# Altium PCB foxbms2-master.PcbDoc (part 11 of 11) (continued)
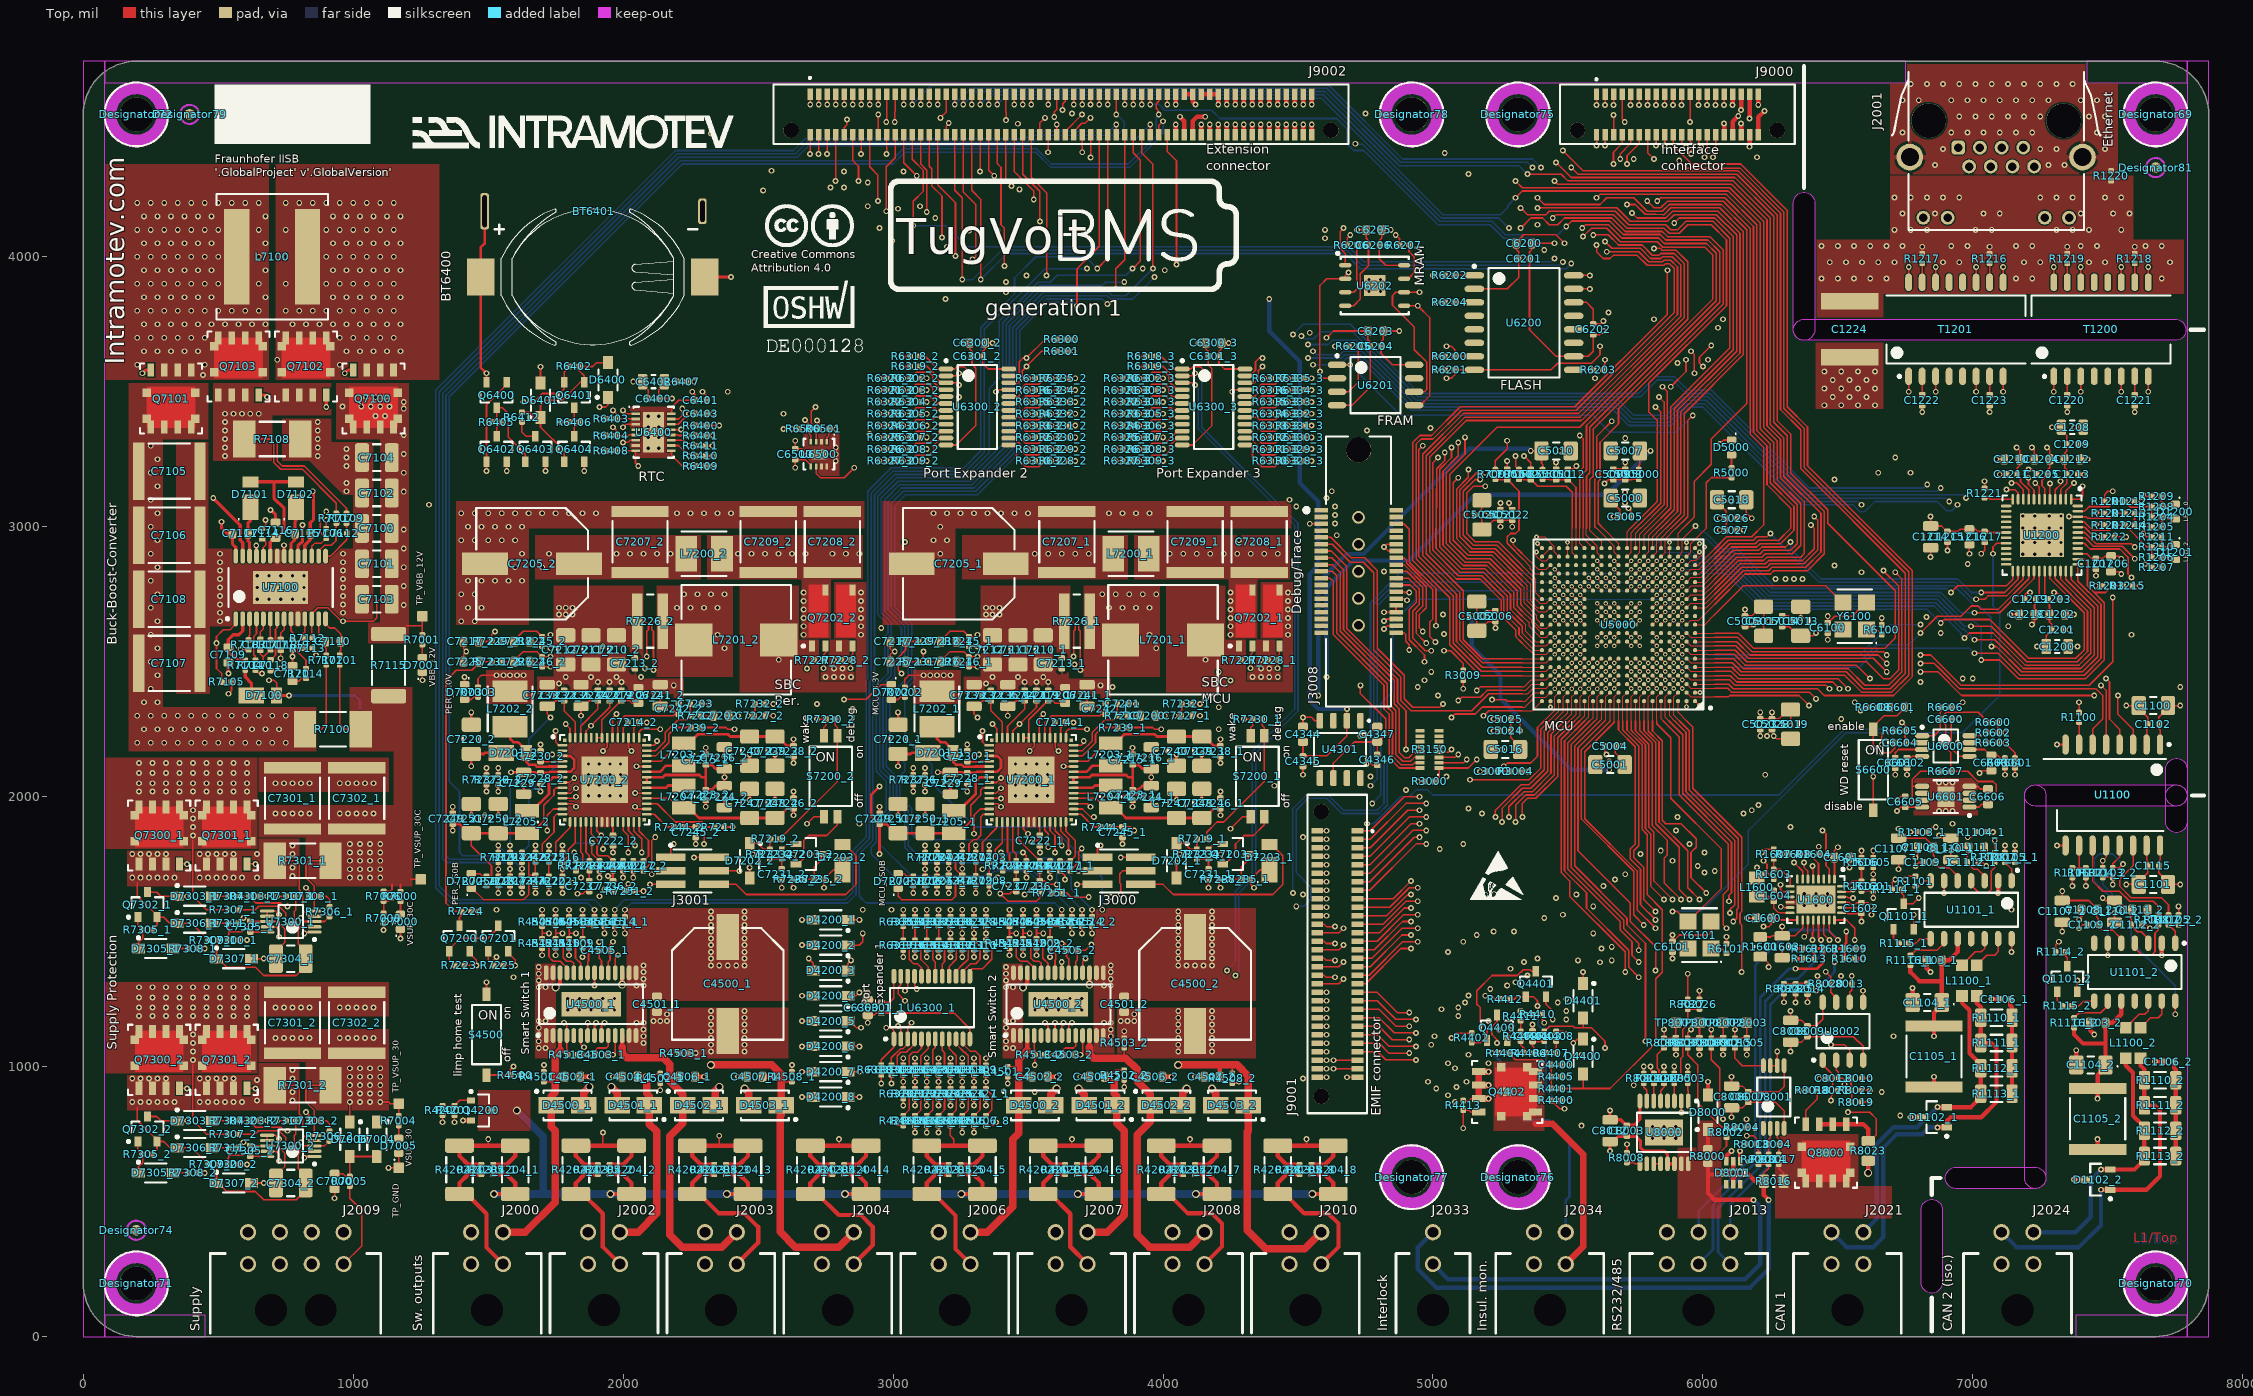
[diagram p0: Top view]
## Nets (pads, with @x,y where several pads share a name; then routed paths per layer and width w, separated by ;. In a path a pad name is that pad's centre, name@x,y a point inside that pad or via, vN(x,y) a via of type N, cw(c..) or ccw(c..) an arc to the next point about the centre after c; other vN are vias at no path point) (continued)
  Int1 (Sig) w16: v1(3525,2900) v1(3575,2900) 3606.25,2868.75 v2(3606.25,2375)
  Int1 (Sig) w24: v1(837.5,1106.25) 862.5,1081.25 862.5,743.75 1400,206.25 6137.5,206.25 6681.25,750 6781.25,750 6825,793.75 6825,1081.25 v2(6856.25,1112.5)
  Int4 (Sig) w6: v2(6718.75,1947.5) 6720.87,1947.5 6868.75,1799.62 6868.75,1125 v2(6856.25,1112.5)
  Int5 (Pwr) w6: v1(1100,993.75) 1268.75,993.75 1456.25,1181.25 v2(1456.25,1375)
  Int6 (Sig) w6: 1631.25,3075 v1(1631.25,3462.5) 1893.75,3462.5 v1(1912.5,3443.75)
  other v1: 1025,868.75 1062.5,868.75 987.5,900 1025,900 1062.5,900 1100,900 987.5,931.25 1025,931.25 1062.5,931.25 1100,931.25 987.5,962.5 1025,962.5 1062.5,962.5 1100,962.5 987.5,993.75 1025,993.75 1062.5,993.75 743.75,1106.25 775,1106.25 806.25,1106.25 950,1106.25 981.25,1106.25 1012.5,1106.25 1043.75,1106.25 1075,1106.25 1700,2850 1725,2900 1975,2900 2075,2900 2125,2900 2175,2900 3625,2900 3675,2900
VSUP_30C: C7301_1.2 C7302_1.2 D7100.2 R7000.2 R7006.2 R7100.1 R7101.2 R7103.2 R7115.1 R7301_1.2 TP_VSUP_30C.1 U7300_1.5 | length 1374.8
  Top w6: v2(582.28,2544.78) R7103.2@612.5,2544.78 ; v1(687.5,2431.25) 706.25,2431.25 716.29,2421.21 D7100.2@716.29,2375 ; U7300_1.5@856.35,1576.87 856.35,1668.65 825,1700 825,1750 837.5,1762.5 R7301_1.2@915.85,1762.5 ; R7101.2@950,2488.53 950,2268.75 968.75,2250 R7100.1@1028.35,2250 ; R7006.2@1112.5,1648.97 1136.47,1648.97 1143.75,1656.25 1143.75,1675 ; R7000.2@1175,1647.93 1175,1675 ; 1212.5,1693.75 TP_VSUP_30C.1@1250,1693.75
  Top w12: D7100.2@716.29,2375 v1(762.5,2375)
  Int1 (Sig) w6: v2(582.28,2544.78) 582.28,2442.72 593.75,2431.25 v1(687.5,2431.25)
  Bottom w12: v1(762.5,2375) 1006.25,2375 1025,2356.25 1025,2325
  other v1: 987.5,1700 1025,1700 1062.5,1700 1100,1700 987.5,1731.25 1025,1731.25 1062.5,1731.25 1100,1731.25 987.5,1762.5 1025,1762.5 1062.5,1762.5 1100,1762.5 987.5,1793.75 1025,1793.75 1062.5,1793.75 1100,1793.75 987.5,1825 1025,1825 1062.5,1825 1100,1825 712.5,1937.5 743.75,1937.5 775,1937.5 806.25,1937.5 837.5,1937.5 950,1937.5 981.25,1937.5 1012.5,1937.5 1043.75,1937.5 1075,1937.5
VSUP_ext_1: D7306_1.1 J2009.3 J2009.7 Q7300_1.S Q7302_1.E R7305_1.2 R7309_1.2 | length 438.4
  Top w6: 200,1681.25 200,1632.58 272.93,1559.65 Q7302_1.E@272.93,1553.74 ; R7305_1.2@255.22,1506.25 272.93,1523.97 Q7302_1.E@272.93,1553.74 ; R7309_1.2@463.53,1468.75 401.03,1531.25 D7306_1.1@348.13,1531.25 320.11,1531.25 297.62,1553.74 Q7302_1.E@272.93,1553.74
  other v1: 181.25,1700 212.5,1700 243.75,1700 275,1700 306.25,1700 337.5,1700 181.25,1787.5 212.5,1787.5 243.75,1787.5 275,1787.5 306.25,1787.5
VSUP_ext_2: D7306_2.1 J2009.2 J2009.6 Q7300_2.S Q7302_2.E R7305_2.2 R7309_2.2 | length 438.4
  Top w6: 200,850 200,801.33 272.93,728.4 Q7302_2.E@272.93,722.49 ; R7305_2.2@255.22,675 272.93,692.72 Q7302_2.E@272.93,722.49 ; R7309_2.2@463.53,637.5 401.03,700 D7306_2.1@348.13,700 320.11,700 297.62,722.49 Q7302_2.E@272.93,722.49
  other v1: 181.25,868.75 212.5,868.75 243.75,868.75 275,868.75 306.25,868.75 337.5,868.75 181.25,956.25 212.5,956.25 243.75,956.25 275,956.25 306.25,956.25
WAKE1_int_1: C7218_1.2 R7229_1.1 R7245_1.1 U7200_1.49 | length 779.3
  Top w6: R7229_1.1@3130.22,2575 C7218_1.2@3177.71,2575 3177.71,2578.94 3211.27,2612.5 3261.47,2612.5 R7245_1.1@3281.25,2592.72 3305.22,2592.72 v2(3312.5,2600) ; v2(3506.25,2168.75) 3522.34,2184.84 U7200_1.49@3522.34,2218.52
  Int1 (Sig) w6: v2(3312.5,2600) 3425.72,2486.78 3425.72,2443.03 3506.25,2362.5 v2(3506.25,2168.75)
WAKE1_int_2: C7218_2.2 R7229_2.1 R7245_2.1 U7200_2.49 | length 888
  Top w6: R7229_2.1@1548.97,2575 C7218_2.2@1596.46,2575 1596.46,2578.94 1630.02,2612.5 1680.22,2612.5 R7245_2.1@1700,2592.72 1723.97,2592.72 v2(1731.25,2600) ; v2(1925,2168.75) 1941.09,2184.84 U7200_2.49@1941.09,2218.52
  Int3 (Sig) w6: v2(1731.25,2600) 1912.5,2600 1925,2587.5 v1(1925,2556.25)
  Int1 (Sig) w6: v2(1925,2168.75) 1925,2385.21 1928.08,2388.29 1928.08,2442.39 1925,2445.47 v1(1925,2556.25)
WAKE2_75: C7225_2.2 Q7200.D R7224.2 R7231_2.2 | length 1151.6
  Top w6: Q7200.D@1393.75,1522.24 1393.75,1552.89 1401.03,1560.17 R7224.2@1401.03,1575 1375,1575 1343.75,1606.25 1343.75,2431.25 1381.25,2468.75 1438.73,2468.75 1466.04,2496.06 C7225_2.2@1466.04,2500 R7231_2.2@1513.53,2500
WAKE2_int_1: C7226_1.2 R7231_1.1 R7246_1.1 U7200_1.1 | length 583.8
  Top w6: R7231_1.1@3130.22,2500 C7226_1.2@3177.71,2500 3177.71,2503.94 3211.27,2537.5 3261.47,2537.5 R7246_1.1@3281.25,2517.72 3311.47,2517.72 v2(3312.5,2518.75) ; v2(3331.25,2243.75) 3331.25,2202.39 3343.19,2190.45 U7200_1.1@3356.48,2190.45
  Int1 (Sig) w6: v2(3312.5,2518.75) 3287.5,2493.75 3287.5,2287.5 v2(3331.25,2243.75)
WAKE2_int_2: C7226_2.2 R7231_2.1 R7246_2.1 U7200_2.1 | length 583.8
  Top w6: R7231_2.1@1548.97,2500 C7226_2.2@1596.46,2500 1596.46,2503.94 1630.02,2537.5 1680.22,2537.5 R7246_2.1@1700,2517.72 1730.22,2517.72 v2(1731.25,2518.75) ; v2(1750,2243.75) 1750,2202.39 1761.94,2190.45 U7200_2.1@1775.23,2190.45
  Int1 (Sig) w6: v2(1731.25,2518.75) 1706.25,2493.75 1706.25,2287.5 v2(1750,2243.75)
pads on no net: D8001.4 D8001.6 Designator69.Hole_WA-SMSI_M3 Designator70.Hole_WA-SMSI_M3 Designator71.Hole_WA-SMSI_M3 Designator72.Hole_WA-SMSI_M3 Designator74.0 Designator75.Hole_WA-SMSI_M3 Designator76.Hole_WA-SMSI_M3 Designator77.Hole_WA-SMSI_M3 Designator78.Hole_WA-SMSI_M3 Designator79.0 Designator81.0 J2000. J2001.MH1 J2001.MH2 J2002. J2003. J2004. J2006. J2007. J2008. J2009. J2010. J2013. J2021. J2021.2 J2024. J2033. J2034. J3008.1 J3008.2 J3008.3 J3008.4 J3008.Orientation J9000. J9001. J9002. J9002.55 R3150.5 R3150.6 R3150.7 R3150.8 R3150.9 R3150.10 R3150.11 R3150.12 T1200.4 T1200.5 T1200.12 T1200.13 T1201.4 T1201.5 T1201.12 T1201.13 U1101_1.11 U1101_2.11 U1200.13 U1200.14 U1200.15 U1200.16 U1200.17 U1200.19 U1200.21 U1200.23 U1200.24 U1200.40 U1200.48 U4301.1 U4301.3 U4301.5 U4301.7 U4301.8 U4500_1.5 U4500_2.5 U5000.H5 U5000.J5 U5000.L1 U5000.L2 U6200.4 U6200.5 U6200.6 U6200.11 U6200.12 U6200.13 U6201.7 U6400.4 U6601.2 U6601.3 U6601.6 U6601.7 U7200_1.2 U7200_1.52 U7200_1.A U7200_1.B U7200_1.C U7200_1.D U7200_2.2 U7200_2.52 U7200_2.A U7200_2.B U7200_2.C U7200_2.D U8000.4 U8000.10 U8001.1

## Polygon pours and split planes (outlines as drawn)
no net on Top Overlay "SN_Field" (solid): 487.5,4418.75 487.5,4637.5 1062.5,4637.5 1062.5,4418.75
ISOMON.SUP-_1 on Top "ISOMON.SUP-_1_L01_P1440" (solid, pour order 1440): 5225,1018.75 5412.5,1018.75 5412.5,762.5 5225,762.5
NetC7214_1_2 on Top "NETC7214_1_2_L01_P1295" (solid, pour order 1295): 4362.5,2793.75 4481.25,2793.75 4481.25,2387.5 4012.5,2387.5 4012.5,2781.25 4231.25,2781.25 4231.25,2581.25 4306.25,2581.25 4306.25,2425 4443.75,2425 4443.75,2587.5 4362.5,2587.5
NetQ7301_1_S on Top "NETQ7301_1_S_L01_P1394" (solid, pour order 1394): 800,1668.75 800,1843.75 650,1843.75 650,1800 412.5,1800 412.5,1668.75
VSUP_ext_1 on Top "VSUP_EXT_1_L01_P1391" (solid, pour order 1391): 162.5,1800 162.5,1668.75 400,1668.75 400,1800
NetD8000_1 on Top "NONET_L-01_P-001" (solid, pour order 1436): 5981.25,675 5981.25,800 6068.75,800 6068.75,675
NetL7201_1_2 on Top "NETL7201_1_2_L01_P1428" (solid, pour order 1428): 3706.25,2781.25 3706.25,2443.75 3987.5,2443.75 3987.5,2781.25
SHIELD on Top "SHIELD_L01_P1406" (solid, pour order 1406): 7781.25,3862.5 7781.25,4062.5 7593.75,4062.5 7593.75,4300 6693.75,4300 6693.75,4062.5 6418.75,4062.5 6418.75,3775 6668.75,3775 6668.75,3862.5
GND on Top "NONET_L-01_P-001" (solid, pour order 1411): 6418.75,3681.25 6418.75,3437.5 6668.75,3437.5 6668.75,3681.25
ETHERNET.SHIELD_1 on Top "ETHERNET.SHIELD_1_L01_P1405" (solid, pour order 1405): 6693.75,4712.5 7537.5,4712.5 7537.5,4306.25 6693.75,4306.25
VBB_12V on Top "Top-ISOMON.SUP+" (solid, pour order 1404): 1056.25,2568.75 1100,2568.75 1206.25,2568.75 1206.25,3531.25 937.5,3531.25 937.5,3325 1100,3325 1100,2643.75 1056.25,2643.75
GND_SW_1 on Top "NONET_L-01_P-001" (solid, pour order 1402): 1462.5,912.5 1462.5,762.5 1656.25,762.5 1656.25,912.5
VSUP_30C on Top "NONET_L-01_P-001" (solid, pour order 1400): 1125,1668.75 1218.75,1668.75 1218.75,2406.25 987.5,2406.25 987.5,2168.75 1150,2168.75 1150,1968.75 1125,1968.75
NetQ7102_S on Top "NETQ7102_S_L01_P1279" (solid, pour order 1279): 481.25,3531.25 918.75,3531.25 918.75,3412.5 700,3412.5 700,3243.75 481.25,3243.75
NetC7115_2 on Top "NETC7115_2_L01_P1301" (solid, pour order 1301): 712.5,3543.75 1318.75,3543.75 1318.75,4343.75 712.5,4343.75
NetC7105_2 on Top "NETC7105_2_L01_P1302" (solid, pour order 1302): 168.75,3531.25 168.75,2168.75 862.5,2168.75 862.5,2331.25 293.75,2331.25 293.75,3325 462.5,3325 462.5,3531.25
NetC7111_2 on Top "NETC7111_2_L01_P1303" (solid, pour order 1303): 687.5,3543.75 81.25,3543.75 81.25,4343.75 687.5,4343.75
GND on Top "GND_L01_P1311" (solid, remove dead copper, pour order 1311): 343.75,3312.5 462.5,3312.5 462.5,2918.75 1000,2918.75 1000,3118.75 962.5,3118.75 837.5,3243.75 737.5,3243.75 737.5,3400 918.75,3400 918.75,3312.5 1075,3312.5 1075,2631.25 975,2631.25 468.75,2631.25 468.75,2381.25 343.75,2381.25
VSUP_30C on Top "NONET_L-01_P-001" (solid, pour order 1395): 825,1668.75 825,1850 650,1850 650,1968.75 1131.25,1968.75 1131.25,1668.75
NetQ7300_1_D on Top "NETQ7300_1_D_L01_P1392" (solid, pour order 1392): 81.25,1806.25 81.25,2143.75 643.75,2143.75 643.75,1806.25
GND on Top "GND_L01_P1390" (solid, pour order 1390): 650,2018.75 1131.25,2018.75 1131.25,2143.75 650,2143.75
VSUP_30 on Top "NONET_L-01_P-001" (solid, pour order 1385): 825,837.5 825,1018.75 650,1018.75 650,1137.5 1131.25,1137.5 1131.25,837.5
NetQ7301_2_S on Top "NETQ7301_2_S_L01_P1384" (solid, pour order 1384): 800,837.5 800,1012.5 650,1012.5 650,968.75 412.5,968.75 412.5,837.5
GND on Top "GND_L01_P1383" (solid, pour order 1383): 6781.25,2068.75 7018.75,2068.75 7018.75,1931.25 6781.25,1931.25
GND on Top "GND_L01_P1251" (solid, pour order 1251): 2025,3256.25 2025,3443.75 2200,3443.75 2200,3256.25
VBB_12V on Top "VBB_12V_L01_P1244" (solid, pour order 1244): 3481.25,1031.25 3406.25,1031.25 3406.25,1381.25 3481.25,1381.25
VBB_12V on Top "VBB_12V_L01_P1243" (solid, pour order 1243): 1750,1031.25 1675,1031.25 1675,1381.25 1750,1381.25
VSUP_ext_2 on Top "VSUP_EXT_2_L01_P1309" (solid, pour order 1309): 162.5,968.75 162.5,837.5 400,837.5 400,968.75
GND on Top "GND_L01_P1292" (solid, pour order 1292): 2106.25,1887.5 2106.25,2237.5 1756.25,2237.5 1756.25,1887.5
GND on Top "GND_L01_P1307" (solid, pour order 1307): 1381.25,2637.5 1650,2637.5 1650,2993.75 2893.75,2993.75 2893.75,3093.75 1381.25,3093.75
VSUP_30 on Top "VSUP_30_L01_P1289" (solid, pour order 1289): 2287.5,2968.75 1675,2968.75 1675,2806.25 2287.5,2806.25
PER_5.0V on Top "PER_5.0V_L01_P1277" (solid, pour order 1277): 2075,2500 2025,2500 2025,2556.25 1743.75,2556.25 1743.75,2781.25 2075,2781.25
NetL7201_2_2 on Top "NETL7201_2_2_L01_P1281" (solid, pour order 1281): 2125,2781.25 2125,2443.75 2406.25,2443.75 2406.25,2781.25
NetC7208_2_2 on Top "NETC7208_2_2_L01_P1290" (solid, pour order 1290): 2312.5,2968.75 2312.5,2806.25 2662.5,2806.25 2662.5,2587.5 2768.75,2587.5 2768.75,2806.25 2887.5,2806.25 2887.5,2968.75
NetC7214_2_2 on Top "NETC7214_2_2_L01_P1296" (solid, pour order 1296): 2781.25,2793.75 2900,2793.75 2900,2387.5 2431.25,2387.5 2431.25,2781.25 2650,2781.25 2650,2581.25 2725,2581.25 2725,2425 2862.5,2425 2862.5,2587.5 2781.25,2587.5
GND on Top "GND_L01_P1230" (solid, pour order 1230): 2762.5,2581.25 2837.5,2581.25 2837.5,2487.5 2856.25,2487.5 2856.25,2431.25 2731.25,2431.25 2731.25,2487.5 2762.5,2487.5
GND on Top "GND_L01_P1271" (solid, pour order 1271): 1743.75,2531.25 2012.5,2531.25 2012.5,2487.5 2068.75,2487.5 2068.75,2437.5 2225,2437.5 2225,2331.25 2187.5,2331.25 2187.5,2381.25 2162.5,2381.25 1681.25,2381.25 1681.25,2443.75 1743.75,2443.75
PER_5.0V on Top "PER_5.0V_L01_P1235" (solid, pour order 1235): 1493.75,2343.75 1668.75,2343.75 1668.75,2468.75 1493.75,2468.75
MCU_3.3V on Top "MCU_3.3V_L01_P1236" (solid, pour order 1236): 3075,2343.75 3250,2343.75 3250,2468.75 3075,2468.75
GND on Top "GND_L01_P1293" (solid, pour order 1293): 3687.5,1887.5 3687.5,2237.5 3337.5,2237.5 3337.5,1887.5
GND on Top "GND_L01_P1272" (solid, pour order 1272): 3325,2531.25 3593.75,2531.25 3593.75,2487.5 3650,2487.5 3650,2437.5 3806.25,2437.5 3806.25,2331.25 3768.75,2331.25 3768.75,2381.25 3743.75,2381.25 3262.5,2381.25 3262.5,2443.75 3325,2443.75
GND on Top "GND_L01_P1231" (solid, pour order 1231): 4343.75,2581.25 4418.75,2581.25 4418.75,2487.5 4437.5,2487.5 4437.5,2431.25 4312.5,2431.25 4312.5,2487.5 4343.75,2487.5
NetC7208_1_2 on Top "NETC7208_1_2_L01_P1291" (solid, pour order 1291): 3893.75,2968.75 3893.75,2806.25 4243.75,2806.25 4243.75,2587.5 4350,2587.5 4350,2806.25 4468.75,2806.25 4468.75,2968.75
MCU_3.3V on Top "MCU_3.3V_L01_P1278" (solid, pour order 1278): 3656.25,2500 3606.25,2500 3606.25,2556.25 3325,2556.25 3325,2781.25 3656.25,2781.25
VSUP_30 on Top "VSUP_30_L01_P1288" (solid, pour order 1288): 3868.75,2968.75 3256.25,2968.75 3256.25,2806.25 3868.75,2806.25
GND on Top "GND_L01_P1308" (solid, pour order 1308): 2962.5,2637.5 3231.25,2637.5 3231.25,2993.75 4475,2993.75 4475,3093.75 2962.5,3093.75
VEE on Top "VEE_L01_P1216" (solid, pour order 1216): 6306.25,1618.75 6306.25,1600 6487.5,1600 6487.5,1618.75
NetQ8000_D on Top "NETQ8000_D_L01_P1298" (solid, pour order 1298): 6268.75,750 6575,750 6575,556.25 6700,556.25 6700,437.5 6268.75,437.5
INTERLOCK.HI_1 on Top "INTERLOCK.HI_1_L01_P1237" (solid, pour order 1237): 5906.25,700 5975,700 5975,668.75 6068.75,668.75 6068.75,437.5 5906.25,437.5
GND on Top "GND_L01_P1282" (solid, pour order 1282): 2100,1218.75 2612.5,1218.75 2612.5,1031.25 2100,1031.25
GND on Top "GND_L01_P1285" (solid, pour order 1285): 3831.25,1218.75 4343.75,1218.75 4343.75,1031.25 3831.25,1031.25
GND on Top "GND_L01_P1284" (solid, pour order 1284): 3831.25,1218.75 4343.75,1218.75 4343.75,1031.25 3831.25,1031.25
VBB_12V on Top "VBB_12V_L01_P1304" (solid, pour order 1304): 3818.75,1031.25 3743.75,1031.25 3743.75,1387.5 3743.75,1587.5 4343.75,1587.5 4343.75,1243.75 3818.75,1243.75
GND on Top "GND_L01_P1286" (solid, pour order 1286): 2100,1218.75 2612.5,1218.75 2612.5,1031.25 2100,1031.25
VBB_12V on Top "VBB_12V_L01_P1306" (solid, pour order 1306): 2087.5,1031.25 2012.5,1031.25 2012.5,1387.5 2012.5,1587.5 2612.5,1587.5 2612.5,1243.75 2087.5,1243.75
GND on Top "GND_L01_P1299" (solid, pour order 1299): 650,1187.5 1131.25,1187.5 1131.25,1312.5 650,1312.5
NetQ7300_2_D on Top "NETQ7300_2_D_L01_P1310" (solid, pour order 1310): 81.25,975 81.25,1312.5 643.75,1312.5 643.75,975
GND on Top "GND_L01_P1232" (solid, pour order 1232): 2800,3187.5 2668.75,3187.5 2668.75,3343.75 2800,3343.75
NetC7214_1_2 on Bottom "NETC7214_1_2_L08_P1426" (solid, pour order 1426): 4362.5,2793.75 4481.25,2793.75 4481.25,2387.5 4012.5,2387.5 4012.5,2781.25 4231.25,2781.25 4231.25,2581.25 4306.25,2581.25 4306.25,2425 4443.75,2425 4443.75,2587.5 4362.5,2587.5
NetQ7301_1_S on Bottom "NETQ7301_1_S_L08_P1397" (solid, pour order 1397): 800,1668.75 800,1843.75 650,1843.75 650,1800 412.5,1800 412.5,1668.75
VSUP_ext_1 on Bottom "VSUP_EXT_1_L08_P1398" (solid, pour order 1398): 162.5,1800 162.5,1668.75 400,1668.75 400,1800
NetL7201_1_2 on Bottom "NETL7201_1_2_L08_P1280" (solid, pour order 1280): 3706.25,2781.25 3706.25,2443.75 3987.5,2443.75 3987.5,2781.25
NetL7201_2_2 on Bottom "NETL7201_2_2_L08_P1427" (solid, pour order 1427): 2125,2781.25 2125,2443.75 2406.25,2443.75 2406.25,2781.25
NetC7208_1_2 on Bottom "NETC7208_1_2_L08_P1425" (solid, pour order 1425): 3893.75,2968.75 3893.75,2806.25 4243.75,2806.25 4243.75,2587.5 4350,2587.5 4350,2806.25 4468.75,2806.25 4468.75,2968.75
NetC7208_2_2 on Bottom "NETC7208_2_2_L08_P1423" (solid, pour order 1423): 2312.5,2968.75 2312.5,2806.25 2662.5,2806.25 2662.5,2587.5 2768.75,2587.5 2768.75,2806.25 2887.5,2806.25 2887.5,2968.75
NetC7214_2_2 on Bottom "NETC7214_2_2_L08_P1424" (solid, pour order 1424): 2781.25,2793.75 2900,2793.75 2900,2387.5 2431.25,2387.5 2431.25,2781.25 2650,2781.25 2650,2581.25 2725,2581.25 2725,2425 2862.5,2425 2862.5,2587.5 2781.25,2587.5
SHIELD on Bottom "SHIELD_L08_P1407" (solid, pour order 1407): 7781.25,3862.5 7781.25,4062.5 7593.75,4062.5 7593.75,4300 6693.75,4300 6693.75,4062.5 6418.75,4062.5 6418.75,3775 6668.75,3775 6668.75,3862.5
ETHERNET.SHIELD_1 on Bottom "ETHERNET.SHIELD_1_L08_P1408" (solid, pour order 1408): 6693.75,4712.5 7537.5,4712.5 7537.5,4306.25 6693.75,4306.25
VSUP_30C on Bottom "NONET_L-01_P-001" (solid, pour order 1401): 1125,1668.75 1218.75,1668.75 1218.75,2331.25 987.5,2331.25 987.5,2168.75 1150,2168.75 1150,1968.75 1125,1968.75
NetQ7102_S on Bottom "NETQ7102_S_L08_P1342" (solid, pour order 1342): 481.25,3531.25 918.75,3531.25 918.75,3412.5 700,3412.5 700,3243.75 481.25,3243.75
VBB_12V on Bottom "VBB_12V_L08_P1343" (solid, pour order 1343): 937.5,3531.25 1206.25,3531.25 1206.25,2656.25 1100,2656.25 1100,3325 937.5,3325
NetC7115_2 on Bottom "NETC7115_2_L08_P1346" (solid, pour order 1346): 712.5,3543.75 1318.75,3543.75 1318.75,4343.75 712.5,4343.75
NetC7105_2 on Bottom "NETC7105_2_L08_P1347" (solid, pour order 1347): 168.75,3531.25 168.75,2168.75 862.5,2168.75 862.5,2331.25 293.75,2331.25 293.75,3325 462.5,3325 462.5,3531.25
NetC7111_2 on Bottom "NETC7111_2_L08_P1348" (solid, pour order 1348): 687.5,3543.75 81.25,3543.75 81.25,4343.75 687.5,4343.75
GND on Bottom "GND_L08_P1350" (solid, pour order 1350): 343.75,3312.5 462.5,3312.5 462.5,2918.75 1000,2918.75 1000,3118.75 962.5,3118.75 837.5,3243.75 737.5,3243.75 737.5,3400 918.75,3400 918.75,3312.5 1075,3312.5 1075,2631.25 975,2631.25 468.75,2631.25 468.75,2381.25 343.75,2381.25
NetQ7300_1_D on Bottom "NETQ7300_1_D_L08_P1399" (solid, pour order 1399): 162.5,1806.25 162.5,2143.75 643.75,2143.75 643.75,1806.25
VSUP_30C on Bottom "NONET_L-01_P-001" (solid, pour order 1396): 825,1668.75 825,1850 650,1850 650,1968.75 1131.25,1968.75 1131.25,1668.75
GND on Bottom "GND_L08_P1393" (solid, pour order 1393): 1131.25,2018.75 1131.25,2143.75 650,2143.75 650,2018.75
NetQ7300_2_D on Bottom "NETQ7300_2_D_L08_P1389" (solid, pour order 1389): 162.5,975 162.5,1312.5 643.75,1312.5 643.75,975
VSUP_ext_2 on Bottom "VSUP_EXT_2_L08_P1388" (solid, pour order 1388): 162.5,968.75 162.5,837.5 400,837.5 400,968.75
NetQ7301_2_S on Bottom "NETQ7301_2_S_L08_P1387" (solid, pour order 1387): 800,837.5 800,1012.5 650,1012.5 650,968.75 412.5,968.75 412.5,837.5
VSUP_30 on Bottom "NONET_L-01_P-001" (solid, pour order 1386): 825,837.5 825,1018.75 650,1018.75 650,1137.5 1131.25,1137.5 1131.25,837.5
GND on Bottom "GND_L08_P1345" (solid, pour order 1345): 1131.25,1187.5 1131.25,1312.5 650,1312.5 650,1187.5
GND on Bottom "GND_L08_P1379" (solid, pour order 1379): 1431.25,1593.75 2306.25,1593.75 2306.25,550 1431.25,550
GND on Bottom "GND_L08_P1377" (solid, pour order 1377): 3162.5,1593.75 4037.5,1593.75 4037.5,550 3162.5,550
PER_3.3V on Int5 (Pwr) "NONET_L-01_P-001" (solid, pour order 1432): 6325,4637.5 6325,3681.25 6675,3681.25 6675,3593.75 7787.5,3593.75 7787.5,2150 7181.25,2150 7181.25,787.5 7143.75,787.5 6931.25,787.5 6931.25,731.25 6700,731.25 6700,87.5 93.75,87.5 93.75,4637.5
MCU_3.3V on Int5 (Pwr) "NONET_L-01_P-001" (solid, pour order 1430): 2975,1681.25 2975,2775 1887.5,2775 1887.5,3556.25 2406.25,3556.25 2406.25,2825 4562.5,2825 4562.5,4118.75 5675,4118.75 5675,3218.75 7706.25,3218.75 7706.25,2150 6143.75,2150 6143.75,937.5 4493.75,937.5 4493.75,1681.25
MCU_3.3V on Int5 (Pwr) "MCU_3.3V_L06_P1329" (solid, pour order 1329): 5625,2750 5575,2750 5575,2668.75 5231.25,2668.75 5231.25,3150 5625,3150
PER_5.0V on Int5 (Pwr) "PER_5.0V_L06_P1315" (solid, pour order 1315): 1493.75,2343.75 1668.75,2343.75 1668.75,2556.25 1837.5,2556.25 1837.5,2781.25 1493.75,2781.25
VBB_12V on Int5 (Pwr) "NONET_L-01_P-001" (solid, pour order 1416): 1675,1593.75 1337.5,1593.75 1337.5,3325 1100,3325 1100,2568.75 1225,2568.75 1225,1487.5 1675,1487.5
VISO_ext on Int5 (Pwr) "NONET_L-01_P-001" (solid, pour order 1414): 7281.25,1862.5 7787.5,1862.5 7787.5,856.25 7281.25,856.25
MCU_1.2V on Int5 (Pwr) "MCU_1.2V_L06_P1322" (solid, pour order 1322): 5743.75,2575 5662.5,2575 5662.5,2125 5743.75,2125
MCU_1.2V on Int5 (Pwr) "MCU_1.2V_L06_P1323" (solid, pour order 1323): 5712.5,2700 5631.25,2700 5631.25,3150 5712.5,3150
MCU_1.2V on Int5 (Pwr) "MCU_1.2V_L06_P1324" (solid, pour order 1324): 5750,2612.5 5750,2693.75 6200,2693.75 6200,2612.5
MCU_1.2V on Int5 (Pwr) "MCU_1.2V_L06_P1325" (solid, pour order 1325): 5625,2581.25 5625,2662.5 5175,2662.5 5175,2581.25
MCU_3.3V on Int5 (Pwr) "MCU_3.3V_L06_P1326" (solid, pour order 1326): 5575,2575 5575,2525 5656.25,2525 5656.25,2193.75 5175,2193.75 5175,2575
MCU_3.3V on Int5 (Pwr) "MCU_3.3V_L06_P1327" (solid, pour order 1327): 5718.75,2750 5800,2750 5800,2700 6200,2700 6200,3075 5718.75,3075
MCU_3.3V on Int5 (Pwr) "MCU_3.3V_L06_P1328" (solid, pour order 1328): 5800,2606.25 5800,2525 5750,2525 5750,2125 6275,2125 6275,2606.25
VBB_12V on Int5 (Pwr) "VBB_12V_L06_P1334" (solid, pour order 1334): 3818.75,1056.25 3406.25,1056.25 3406.25,1593.75 4343.75,1593.75 4343.75,1243.75 3818.75,1243.75
VBB_12V on Int5 (Pwr) "VBB_12V_L06_P1333" (solid, pour order 1333): 2087.5,1056.25 1675,1056.25 1675,1593.75 3406.25,1593.75 3406.25,1243.75 2087.5,1243.75
GND on Int2 (Gnd) "NONET_L-01_P-001" (solid, pour order 1421): 6325,4637.5 6325,3681.25 6675,3681.25 6675,3593.75 7787.5,3593.75 7787.5,2150 7181.25,2150 7181.25,787.5 7143.75,787.5 6931.25,787.5 6931.25,731.25 6700,731.25 6700,87.5 93.75,87.5 93.75,4637.5
GND_ext on Int2 (Gnd) "NONET_L-01_P-001" (solid, pour order 1413): 7168.75,431.25 7168.75,225 7500,225 7500,431.25
GND_ext on Int2 (Gnd) "NONET_L-01_P-001" (solid, pour order 1412): 7281.25,431.25 7281.25,1862.5 7787.5,1862.5 7787.5,431.25
SHIELD on Int2 (Gnd) "SHIELD_L03_P1363" (solid, pour order 1363): 7781.25,3862.5 7781.25,4062.5 7593.75,4062.5 7593.75,4300 6693.75,4300 6693.75,4062.5 6418.75,4062.5 6418.75,3775 6668.75,3775 6668.75,3862.5
ETHERNET.SHIELD_1 on Int2 (Gnd) "ETHERNET.SHIELD_1_L03_P1365" (solid, pour order 1365): 6693.75,4712.5 7537.5,4712.5 7537.5,4306.25 6693.75,4306.25
VSUP_ext_2 on Int3 (Sig) "NONET_L-01_P-001" (solid, pour order 1420): 325,187.5 906.25,187.5 906.25,537.5 400,537.5 400,968.75 81.25,968.75 81.25,325 325,325
VSUP_ext_1 on Int4 (Sig) "NONET_L-01_P-001" (solid, pour order 1422): 400,1668.75 400,1800 81.25,1800 81.25,325 325,325 325,187.5 781.25,187.5 781.25,537.5 181.25,537.5 181.25,1668.75
SHIELD on Int4 (Sig) "SHIELD_L05_P1409" (solid, pour order 1409): 7781.25,3862.5 7781.25,4062.5 7593.75,4062.5 7593.75,4300 6693.75,4300 6693.75,4062.5 6418.75,4062.5 6418.75,3775 6668.75,3775 6668.75,3862.5
ETHERNET.SHIELD_1 on Int4 (Sig) "ETHERNET.SHIELD_1_L05_P1410" (solid, pour order 1410): 6693.75,4712.5 7537.5,4712.5 7537.5,4306.25 6693.75,4306.25
VCC on Int4 (Sig) "VCC_L05_P1320" (solid, remove dead copper, pour order 1320): 6656.25,1831.25 6150,1831.25 6150,1375 6656.25,1375
PER_5.0V on Int6 (Sig) "NONET_L-01_P-001" (solid, pour order 1433): 1493.75,2781.25 1493.75,1350 5868.75,1350 5868.75,806.25 7000,806.25 7000,3587.5 6325,3587.5 6325,4643.75 4250,4643.75 4250,2781.25
VSUP_ext_1 on Int6 (Sig) "NONET_L-01_P-001" (solid, pour order 1418): 400,1668.75 400,1800 81.25,1800 81.25,325 325,325 325,187.5 781.25,187.5 781.25,537.5 181.25,537.5 181.25,1668.75
VSUP_ext_1 on Int6 (Sig) "NONET_L-01_P-001" (solid, pour order 1417): 400,1668.75 400,1800 81.25,1800 81.25,325 325,325 325,187.5 781.25,187.5 781.25,537.5 181.25,537.5 181.25,1668.75
VSUP_30 on Int6 (Sig) "Int6 (Sig)-VSUP_30" (solid, pour order 1439): 650,837.5 1331.25,837.5 1331.25,2787.5 3762.5,2787.5 3762.5,3087.5 1137.5,3087.5 1137.5,1137.5 650,1137.5
MCU_1.1V on Int6 (Sig) "NONET_L-01_P-001" (solid, pour order 1435): 7012.5,3587.5 7012.5,2343.75 7700,2343.75 7700,3587.5
VEE on Int1 (Sig) "VEE_L02_P1317" (solid, remove dead copper, pour order 1317): 6656.25,1831.25 6150,1831.25 6150,1375 6656.25,1375
VSUP_ext_2 on Int1 (Sig) "NONET_L-01_P-001" (solid, pour order 1419): 325,187.5 906.25,187.5 906.25,537.5 400,537.5 400,968.75 81.25,968.75 81.25,325 325,325

## Keep-outs
Keep-Out Layer:
  region: 452.76,0 452.76,78.74 78.74,78.74 78.74,0
  region: 7795.28,0 7795.28,78.74 7381.89,78.74 7381.89,0
  region: 7795.28,4645.67 7795.28,4724.41 7421.26,4724.41 7421.26,4645.67
  region: 6751.97,4645.67 6751.97,4724.41 78.74,4724.41 78.74,4645.67
  rectangle: 0,0 78.74,4724.41
  rectangle: 7795.28,0 7874.02,4724.41

## Other copper
Top:
  text "L1/Top" at 7593.75,335.78 h60
Int2 (Gnd):
  pour cut-out: 7793.75,2137.5 7793.75,2281.25 7712.5,2281.25 7712.5,2137.5
  pour cut-out: 7712.5,1868.75 7712.5,1725 7793.75,1725 7793.75,1868.75
  text "L3" at 7593.75,331.03 h60
Int3 (Sig):
  text "L4" at 7593.75,330.7 h60
Int1 (Sig):
  text "L2" at 7593.75,330.67 h60
Int4 (Sig):
  text "L5" at 7593.75,331.28 h60
Int5 (Pwr):
  pour cut-out: 7793.75,2137.5 7793.75,2281.25 7712.5,2281.25 7712.5,2137.5
  pour cut-out: 7712.5,1868.75 7712.5,1725 7793.75,1725 7793.75,1868.75
  text "L6" at 7593.75,331.03 h60
Int6 (Sig):
  text "L7" at 7593.75,330.92 h60
Bottom:
  text "L8/Bot." at 7593.75,330.8 h60

## Silkscreen, mask and mechanical layers (free items; w line width, h text height)
Top Overlay:
  drawing of 46 lines, arcs and shapes, not listed
  text "Ethernet" at 7531.25,4406.25 h60 r90
  text "Extension / connector" at 4160.47,4308.56 h60
  text "Interface / connector" at 5846.32,4307.86 h60
  text "Fraunhofer IISB / '.GlobalProject' v'.GlobalVersion'" at 487.5,4287.5 h50
  text "TugVolt" at 3011.19,3965.67 h230
  text "Creative Commons / Attribution 4.0" at 2475.18,3932.82 h50
  text "MRAM" at 4981.25,3893.75 h60 r90
  text "generation 1" at 3340.62,3760.45 h100
  text "Intramotev.com" at 175,3600.25 h120 r90
  text "FLASH" at 5250,3493.75 h60
  text "FRAM" at 4793.75,3362.5 h60
  text "Port Expander 2" at 3112.5,3168.75 h60
  text "Port Expander 3" at 3975,3168.75 h60
  text "RTC" at 2057.78,3156.25 h60
  text "LED_0" at 7806.25,3018.75 h30 r90
  text "LED_2" at 7806.25,2868.75 h30 r90
  text "Debug/Trace" at 4525,2675 h60 r90
  text "Buck-Boost-Converter" at 137.5,2562.5 h60 r90
  text "VBB_12V" at 1313.24,2408 h40 r90
  text "SBC / MCU" at 4143.75,2333.92 h60
  text "SBC / Per." at 2562.5,2325 h60
  text "PER_5.0V" at 1374.19,2305.35 h40 r90
  text "MCU_3.3V" at 2955.44,2301.32 h40 r90
  text "enable" at 6462.11,2235.05 h50
  text "MCU" at 5412.5,2231.25 h60
  text "debug" at 4450,2206.25 h50 r90
  text "wake" at 4281.25,2204.28 h50 r90
  text "debug" at 2868.75,2200 h50 r90
  text "wake" at 2700,2196.31 h50 r90
  text "WD reset" at 6549.46,2003.35 h50 r90
  text "off          on" at 2900,1956.25 h50 r90
  text "off          on" at 4481.25,1956.25 h50 r90
  text "disable" at 6449.87,1938.04 h50
  text "PER_FS0B" at 1399.19,1597.29 h40 r90
  text "MCU_FS0B" at 2980.44,1593.26 h40 r90
  text "VSUP_30C" at 1232.32,1446.99 h40 r90
  text "Port / Expander 1" at 2975,1225 h50 r90
  text "Supply Protection" at 137.5,1062.5 h60 r90
  text "Smart Switch 1" at 1662.5,1043.75 h50 r90
  text "Smart Switch 2" at 3393.75,1031.25 h50 r90
  text "off        on" at 1595.07,1015.73 h50 r90
  text "limp home test" at 1413.23,963.04 h50 r90
  text "EMIF connector" at 4819.7,818.75 h60 r90
  text "VSUP_30" at 1226.07,628.63 h40 r90
  text "Supply" at 443.75,18.75 h60 r90
  text "Sw. outputs" at 1268.75,18.75 h60 r90
  text "Interlock" at 4843.75,18.75 h60 r90
  text "Insul. mon." at 5212.5,18.75 h60 r90
  text "RS232/485" at 5712.5,18.75 h60 r90
  text "CAN 1" at 6318.75,18.75 h60 r90
  text "CAN 2 (iso.)" at 6937.5,18.75 h60 r90
Mechanical 15:
  the board outline again, w3.94

## Text inside footprints (layer, text, board x,y; h text height)
S4500: Top Overlay "ON" at 1463.75,1173.75 h35; Mechanical 13 "ON" at 1463.75,1173.75 h35
S6600: Top Overlay "ON" at 6601.25,2155 h35; Mechanical 13 "ON" at 6601.25,2155 h35
S7200_1: Top Overlay "ON" at 4295,2130 h35; Mechanical 13 "ON" at 4295,2130 h35
S7200_2: Top Overlay "ON" at 2713.75,2130 h35; Mechanical 13 "ON" at 2713.75,2130 h35